# KiCad board amulet_controller.kicad_pcb
date: 2024-04-13; rev: ${REVISION}; company: ${COMPANY}
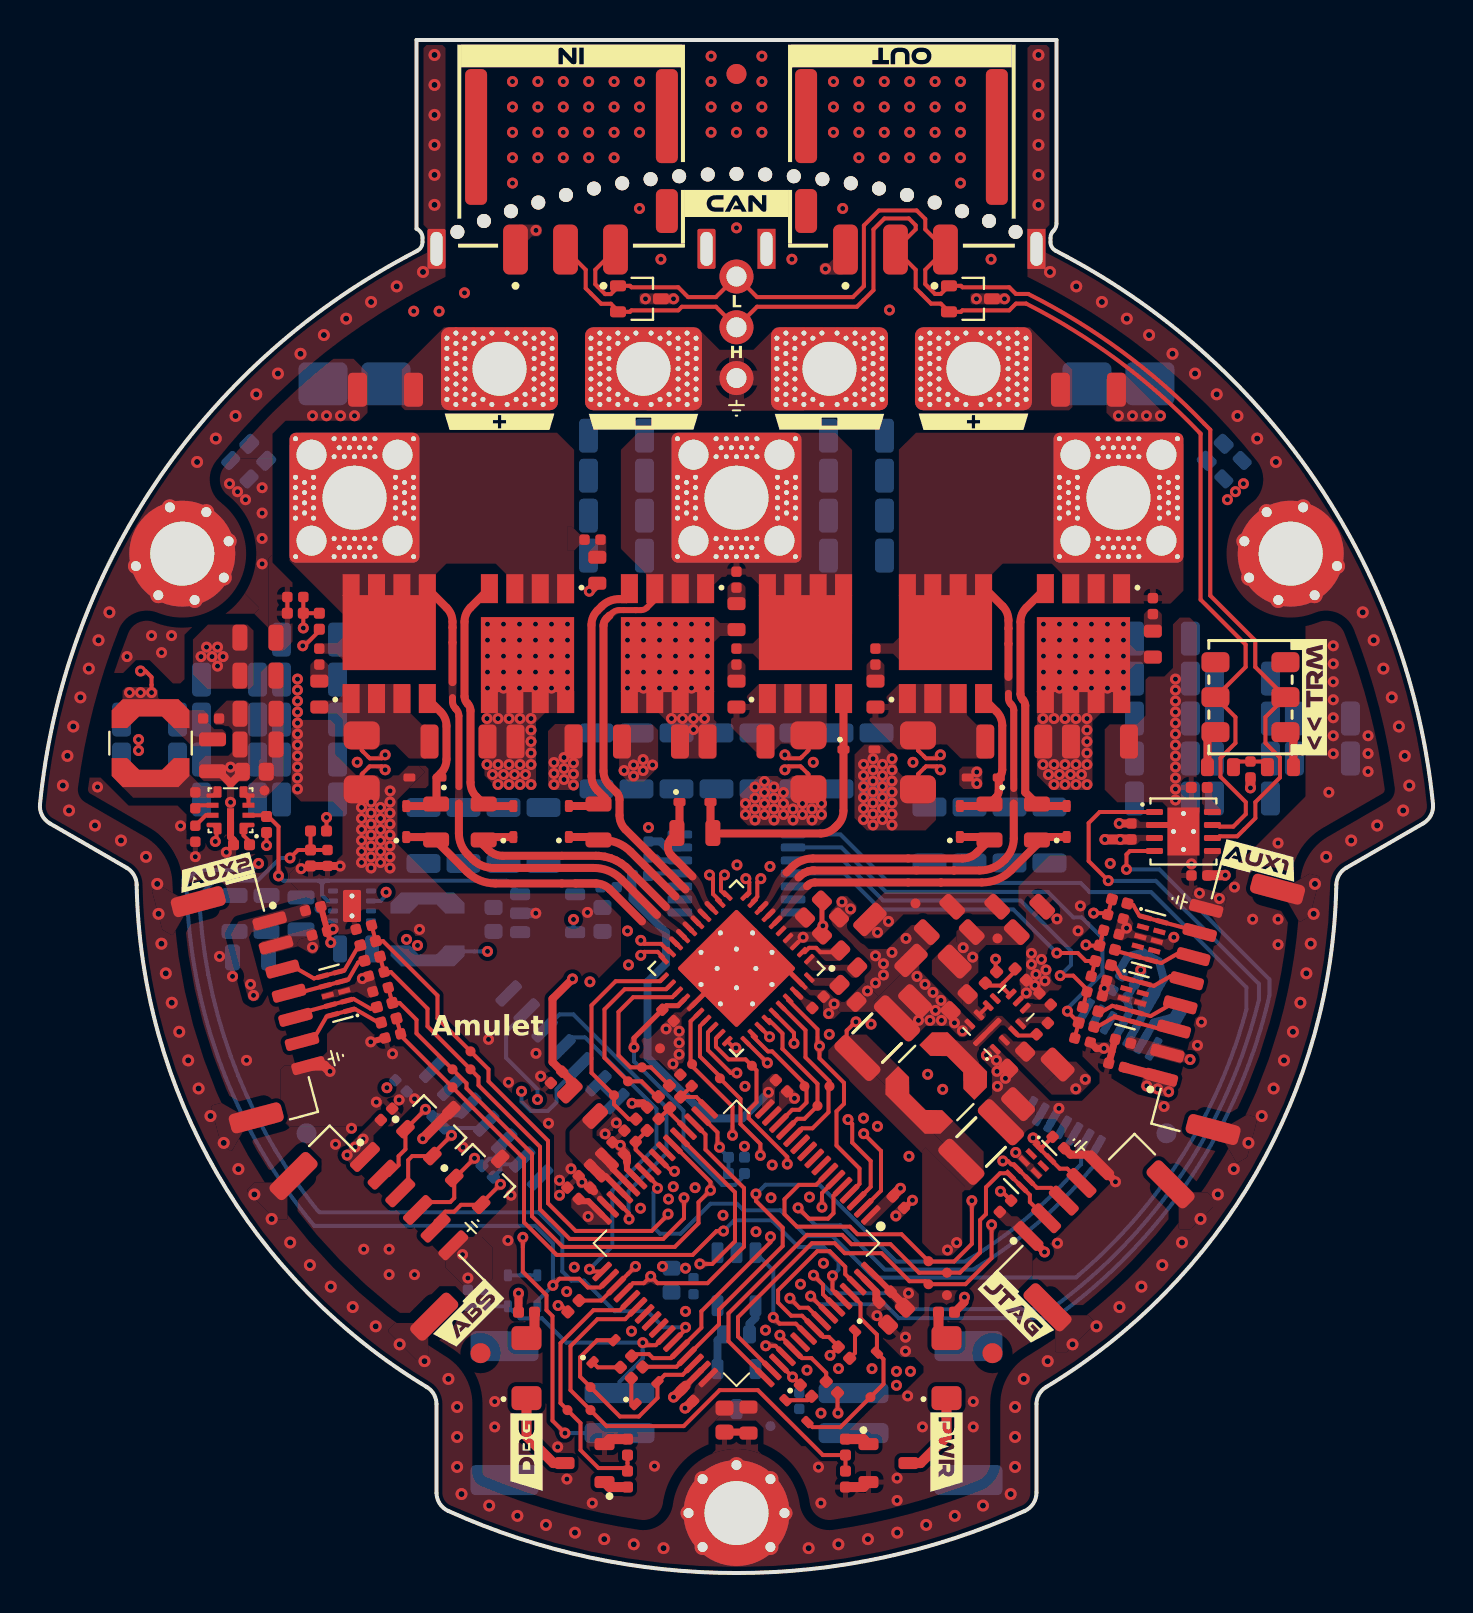
[diagram p0: board, top side]
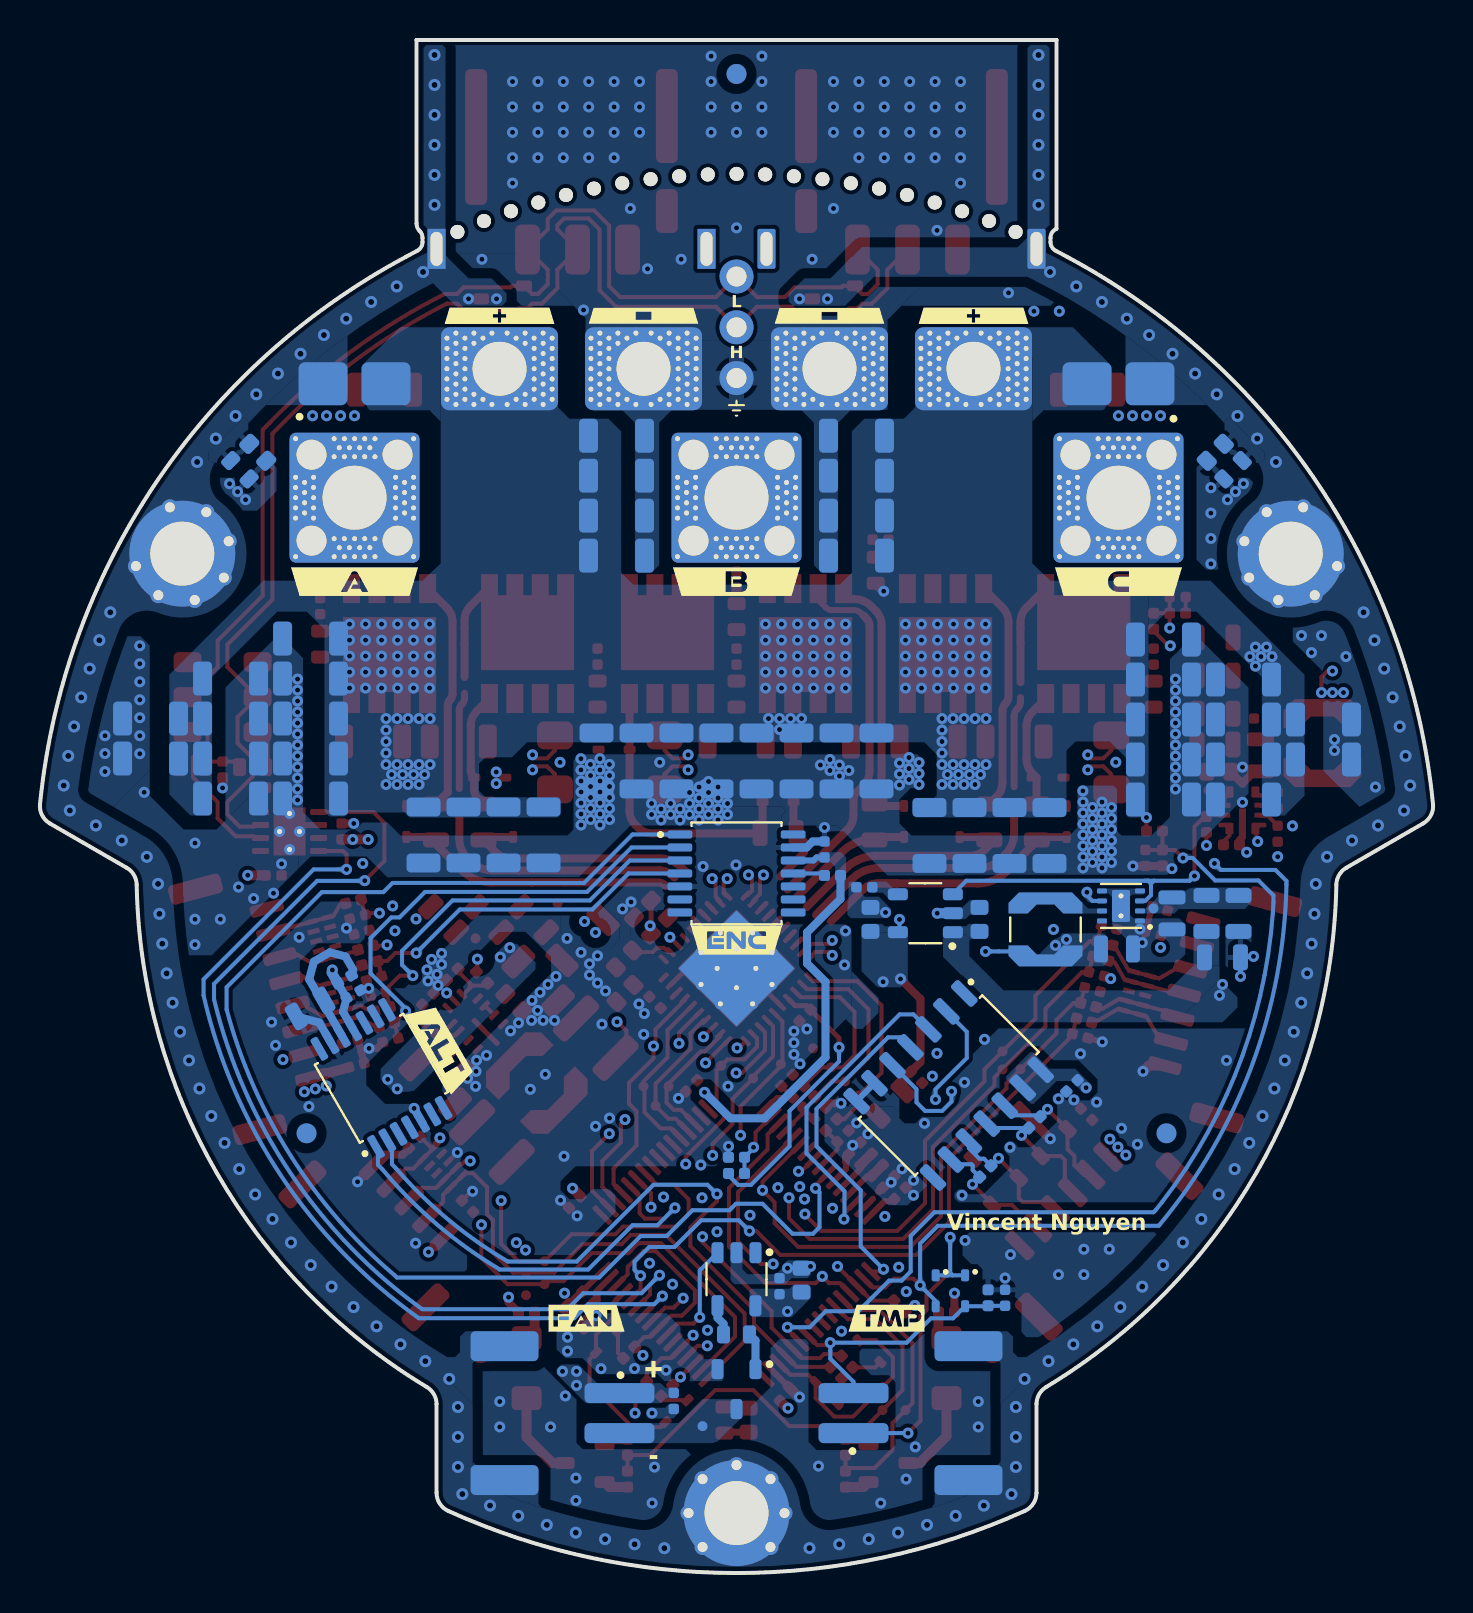
[diagram p1: board, bottom side, seen from below]

Outline 69.66 x 76.7 mm; copper layers: L1 (Sig, PWR), L2 (GND) (plane), L3 (Sig, PWR), L4 (Sig, PWR), L5 (GND) (plane), L6 (Sig, PWR). Coordinates in mm from the lower left corner of the outline.
Outline path: 0,38.47 arc(5.73,54.45) 18.3,65.85 18.86,66.15 arc(19.06,66.34) 19.13,66.59 19.13,66.8 arc(19.06,67.05) 18.86,67.24 18.83,67.26 18.83,76.7 50.83,76.7 50.83,67.51 arc(50.79,67.32) 50.68,67.15 arc(50.57,66.99) 50.53,66.8 50.53,66.59 arc(50.6,66.34) 50.79,66.15 51.36,65.85 arc(63.93,54.45) 69.66,38.47 arc(69.55,37.91) 69.16,37.5 65.32,35.29 arc(64.96,34.93) 64.82,34.44 arc(60.81,20) 50.31,9.3 arc(49.96,8.94) 49.83,8.45 49.83,4.02 arc(49.67,3.47) 49.24,3.1 arc(34.83,0) 20.42,3.1 arc(19.99,3.47) 19.83,4.02 19.83,8.45 arc(19.7,8.94) 19.34,9.3 arc(8.85,20) 4.83,34.44 arc(4.69,34.93) 4.33,35.29 0.5,37.5 arc(0.11,37.91) 0,38.47
Stack: L1 (Sig, PWR) 0.07mm / dielectric 0.18mm FR4_7628 er 4.29 / L2 (GND) 0.035mm / dielectric 0.4mm FR4 er 4.6 / L3 (Sig, PWR) 0.035mm / dielectric 0.18mm FR4_7628 er 4.29 / L4 (Sig, PWR) 0.035mm / dielectric 0.4mm FR4 er 4.6 / L5 (GND) 0.035mm / dielectric 0.18mm FR4_7628 er 4.29 / L6 (Sig, PWR) 0.07mm

## Placement (name value [footprint] x y rotation side)
C1  4u7 X7R 16V  [C_0603_1608_DensityHigh]  42.83 12.85 225 top
C2  1u X7R 10V  [C_0402_1005_DensityHigh]  25.83 24.8 225 top
C3  100n X7R 50V  [C_0402_1005_DensityHigh]  37.08 24.38 315 top
C4  100n X7R 50V  [C_0402_1005_DensityHigh]  26.65 19 135 top
C5  100n X7R 50V  [C_0402_1005_DensityHigh]  32.38 8.9 135 top
C6  1u X7R 10V  [C_0402_1005_DensityHigh]  27.22 20.14 225 top
C7  4u7 X5R 25V  [C_0402_1005_DensityHigh]  28.35 21.27 45 top
C8  100n X7R 50V  [C_0402_1005_DensityHigh]  42.25 13.8 225 top
C9  1u X7R 10V  [C_0402_1005_DensityHigh]  42.92 18.55 315 top
C10  100n X7R 50V  [C_0402_1005_DensityHigh]  27.8 19.57 225 top
C11  100n X7R 50V  [C_0402_1005_DensityHigh]  28.92 20.69 45 top
C12  1n X7R 25V  [C_0402_1005_DensityHigh]  32.3 24.65 135 top
C13  1n X7R 25V  [C_0402_1005_DensityHigh]  30.65 23 135 top
C14  1n X7R 25V  [C_0402_1005_DensityHigh]  29.5 21.85 135 top
C15  2u2 X7R 100V  [R_0805_2012_DensityHigh]  10.9 46.8 0 top
C16  2u2 X7R 100V  [R_0805_2012_DensityHigh]  44.98 32.7 225 top
C17  2u2 X7R 100V  [R_0805_2012_DensityHigh]  10.9 42.99 180 top
C18  2u2 X7R 100V  [R_0805_2012_DensityHigh]  49.48 32.7 45 top
C19  4u7 X7R 100V  [C_1206_3216_DensityHigh]  49.9 24.45 225 top
C20  2u2 X7R 100V  [R_0805_2012_DensityHigh]  10.9 41.45 180 top
C21  4u7 X7R 100V  [C_1206_3216_DensityHigh]  44.75 29.6 225 top
C22  100n X7R 100V  [C_0603_1608_DensityHigh]  10.72 40.09 180 top
C23  220n X7S 100V  [C_0603_1608_DensityHigh]  45.96 28.54 225 top
C24  1u X7R 10V  [C_0402_1005_DensityHigh]  7.77 36.99 270 top
C25  220n X7S 100V  [C_0603_1608_DensityHigh]  48.84 25.66 225 top
C26  1u X7R 10V  [C_0402_1005_DensityHigh]  50.26 28.72 135 top
C27  100n X7R 50V  [C_0402_1005_DensityHigh]  7.77 38.66 270 top
C28  100n X7R 50V  [C_0402_1005_DensityHigh]  50.12 27.23 45 top
C29  100n X7R 50V  [C_0402_1005_DensityHigh]  8.55 42.75 0 top
C30  15u X7R 25V  [C_1210_3225_DensityHigh]  41.86 26.76 45 top
C31  4u7 X7R 100V  [C_1206_3216_DensityHigh]  28.83 54.9 0 bottom
C32  4u7 X7R 100V  [C_1206_3216_DensityHigh]  28.83 52.9 0 bottom
C33  4u7 X7R 100V  [C_1206_3216_DensityHigh]  5.48 42.7 180 bottom
C34  4u7 X7R 100V  [C_1206_3216_DensityHigh]  40.83 50.9 180 bottom
C35  4u7 X7R 100V  [C_1206_3216_DensityHigh]  40.83 52.9 180 bottom
C36  4u7 X7R 100V  [C_1206_3216_DensityHigh]  40.83 54.9 180 bottom
C37  22u X7R 10V  [C_0805_2012_DensityHighest]  8.63 40.91 270 top
C38  15u X7R 25V  [C_1210_3225_DensityHigh]  47.06 21.56 45 top
C39  4u7 X7R 100V  [C_1206_3216_DensityHigh]  5.48 40.7 180 bottom
C40  4u7 X7R 100V  [C_1206_3216_DensityHigh]  41.83 40.63 270 bottom
C41  4u7 X7R 100V  [C_1206_3216_DensityHigh]  39.83 40.63 270 bottom
C42  4u7 X7R 100V  [C_1206_3216_DensityHigh]  37.83 40.63 270 bottom
C43  4u7 X7R 100V  [C_1206_3216_DensityHigh]  35.83 40.63 270 bottom
C44  4u7 X7R 100V  [C_1206_3216_DensityHigh]  33.83 40.63 270 bottom
C45  2u2 X7R 100V  [R_0805_2012_DensityHigh]  10.53 30.8 180 bottom
C46  4u7 X7R 100V  [C_1206_3216_DensityHigh]  31.83 40.63 270 bottom
C47  4u7 X7R 100V  [C_1206_3216_DensityHigh]  29.83 40.63 270 bottom
C48  4u7 X7R 100V  [C_1206_3216_DensityHigh]  27.83 40.63 270 bottom
C49  4u7 X7R 100V  [C_1206_3216_DensityHigh]  13.48 46.7 180 bottom
C50  4u7 X7R 100V  [C_1206_3216_DensityHigh]  52.43 59.2 0 top
C51  4u7 X7R 100V  [C_1206_3216_DensityHigh]  28.83 50.9 0 bottom
C52  2u2 X7R 100V  [R_0805_2012_DensityHigh]  9.73 33 270 bottom
C53  4u7 X7R 100V  [C_1206_3216_DensityHigh]  9.48 40.7 0 bottom
C54  4u7 X7R 100V  [C_1206_3216_DensityHigh]  9.48 44.7 0 bottom
C55  4u7 X7R 100V  [C_1206_3216_DensityHigh]  19.18 36.9 270 bottom
C56  10u X7R 25V  [C_0805_2012_DensityHighest]  13.05 33 270 bottom
C57  4u7 X7R 100V  [C_1206_3216_DensityHigh]  21.18 36.9 270 bottom
C58  4u7 X7R 100V  [C_1206_3216_DensityHigh]  23.18 36.9 270 bottom
C59  4u7 X7R 100V  [C_1206_3216_DensityHigh]  25.18 36.9 270 bottom
C60  1u X7R 25V  [C_0603_1608_DensityHigh]  22.68 32.7 90 bottom
C61  4u7 X7R 100V  [C_1206_3216_DensityHigh]  44.48 36.93 270 bottom
C62  4u7 X7R 100V  [C_1206_3216_DensityHigh]  46.48 36.93 270 bottom
C63  4u7 X7R 100V  [C_1206_3216_DensityHigh]  48.48 36.93 270 bottom
C64  4u7 X7R 100V  [C_1206_3216_DensityHigh]  50.48 36.93 270 bottom
C65  4u7 X7R 100V  [C_1206_3216_DensityHigh]  40.83 56.9 180 bottom
C66  4u7 X7R 100V  [C_1206_3216_DensityHigh]  17.28 59.2 180 top
C67  4u7 X7R 100V  [C_1206_3216_DensityHigh]  56.13 38.75 0 bottom
C68  4u7 X7R 100V  [C_1206_3216_DensityHigh]  56.13 40.75 0 bottom
C69  4u7 X7R 100V  [C_1206_3216_DensityHigh]  56.13 42.75 0 bottom
C70  4u7 X7R 100V  [C_1206_3216_DensityHigh]  56.13 44.75 0 bottom
C71  4u7 X7R 100V  [C_1206_3216_DensityHigh]  9.48 42.7 0 bottom
C72  4u7 X7R 100V  [C_1206_3216_DensityHigh]  60.13 38.75 180 bottom
C73  4u7 X7R 100V  [C_1206_3216_DensityHigh]  9.48 38.7 0 bottom
C74  4u7 X7R 100V  [C_1206_3216_DensityHigh]  13.48 38.7 180 bottom
C75  4u7 X7R 100V  [C_1206_3216_DensityHigh]  13.48 40.7 180 bottom
C76  10n X7R 100V  [C_0402_1005_DensityHigh]  28.44 34.31 0 bottom
C77  4u7 X7R 100V  [C_1206_3216_DensityHigh]  13.48 42.7 180 bottom
C78  4u7 X7R 100V  [C_1206_3216_DensityHigh]  13.48 44.7 180 bottom
C79  4u7 X7R 100V  [C_1206_3216_DensityHigh]  60.13 44.75 180 bottom
C80  4u7 X7R 100V  [C_1206_3216_DensityHigh]  64.13 42.75 0 bottom
C81  4u7 X7R 100V  [C_1206_3216_DensityHigh]  64.13 40.75 0 bottom
C82  4u7 X7R 100V  [C_1206_3216_DensityHigh]  60.13 42.75 180 bottom
C83  22u X7R 10V  [C_0805_2012_DensityHighest]  15.8 31.23 180 bottom
C84  4u7 X7R 16V  [C_0603_1608_DensityHigh]  28.13 32.7 90 bottom
C85  4u7 X7R 100V  [C_1206_3216_DensityHigh]  60.13 40.75 180 bottom
C86  4u7 X7R 100V  [C_1206_3216_DensityHigh]  56.13 46.75 0 bottom
C87  4u7 X7R 100V  [C_1206_3216_DensityHigh]  28.83 56.9 0 bottom
C88  1u X7R 25V  [C_0603_1608_DensityHigh]  38.68 33.22 225 top
C89  4u7 X7R 100V  [C_1206_3216_DensityHighest]  42.53 31.68 315 top
C90  100n X7R 16V  [C_0402_1005_DensityHigh]  31.4 27.9 315 top
C91  47n X7R 100V  [C_0603_1608_DensityHigh]  40.44 30.73 315 top
C92  100n X7R 100V  [C_0603_1608_DensityHigh]  39.53 32.37 45 top
C93  1u X7R 25V  [C_0603_1608_DensityHigh]  40.4 29 315 top
C94  1u X7R 6.3V  [C_0402_1005_DensityHigh]  38.9 28.55 45 top
C95  100n X7R 100V  [C_1206_3216_DensityHighest]  48.72 41.6 180 top
C96  4u7 X7R 100V  [C_1206_3216_DensityHighest]  25.23 41.6 0 top
C97  100n X7R 100V  [C_1206_3216_DensityHighest]  34.83 41.6 0 top
C98  4u7 X7R 100V  [C_1206_3216_DensityHighest]  30.55 41.6 180 top
C99  100n X7R 100V  [C_1206_3216_DensityHighest]  20.93 41.6 180 top
C100  4u7 X7R 100V  [C_1206_3216_DensityHighest]  53 41.6 0 top
C101  100n X7R 50V  [C_0402_1005_DensityHigh]  12.77 48.83 180 top
C102  100n X7R 50V  [C_0402_1005_DensityHigh]  21.4 13.77 90 bottom
C103  100n X7R 50V  [C_0402_1005_DensityHigh]  14.38 35.78 270 top
C104  100n X7R 50V  [C_0402_1005_DensityHigh]  30.43 36.2 90 bottom
C105  100n X7R 50V  [C_0402_1005_DensityHigh]  53.98 28.95 150 bottom
C106  10u X7R 25V  [C_0805_2012_DensityHighest]  56.15 28.25 330 bottom
C107  100n X7R 50V  [C_0402_1005_DensityHigh]  18.05 24.38 315 bottom
C108  100n X7R 50V  [C_0402_1005_DensityHigh]  57.98 34.9 180 top
C109  100n X7R 50V  [C_0402_1005_DensityHigh]  54.58 37.1 90 top
C110  4u7 X7R 16V  [C_0603_1608_DensityHigh]  31.58 14.65 90 bottom
C111  100n X7R 50V  [C_0402_1005_DensityHigh]  32.68 14.35 90 bottom
C112  100n X7R 50V  [C_0402_1005_DensityHigh]  53.83 25.4 165 top
C113  100n X7R 50V  [C_0402_1005_DensityHigh]  13.66 33.24 15 top
C114  100n X7R 50V  [C_0402_1005_DensityHigh]  54.15 26.6 165 top
C115  100n X7R 50V  [C_0402_1005_DensityHigh]  13.99 32.01 15 top
C116  3n3 X7R 100V  [C_0402_1005_DensityHigh]  53.78 32.83 345 top  (not fitted)
C117  3n3 X7R 100V  [C_0402_1005_DensityHigh]  17.65 26.87 195 top  (not fitted)
C118  3n3 X7R 100V  [C_0402_1005_DensityHigh]  53.57 32.06 345 top  (not fitted)
C119  3n3 X7R 100V  [C_0402_1005_DensityHigh]  17.03 29.19 195 top  (not fitted)
C120  3n3 X7R 100V  [C_0402_1005_DensityHigh]  52.95 29.75 345 top  (not fitted)
C121  3n3 X7R 100V  [C_0402_1005_DensityHigh]  16.82 29.96 195 top  (not fitted)
C122  3n3 X7R 100V  [C_0402_1005_DensityHigh]  52.74 28.98 345 top  (not fitted)
C123  3n3 X7R 100V  [C_0402_1005_DensityHigh]  16.19 32.31 195 top  (not fitted)
C124  3n3 X7R 100V  [C_0402_1005_DensityHigh]  52.13 26.66 345 top  (not fitted)
C125  100n X7R 50V  [C_0402_1005_DensityHigh]  37.97 8.61 270 bottom
C126  100n X7R 50V  [C_0402_1005_DensityHigh]  17.33 22.95 45 top
C127  100n X7R 50V  [C_0402_1005_DensityHigh]  48.28 18.35 45 top
C128  100n X7R 50V  [C_0402_1005_DensityHigh]  50.92 21.54 315 top
C129  4n7 X7R 100V  [C_0402_1005_DensityHigh]  60.53 40.2 270 top
C130  1n X7R 1kV  [C_0603_1608_DensityHigh]  34.23 7.65 90 top
C131  1n X7R 1kV  [C_0603_1608_DensityHigh]  10.89 56.07 315 bottom
C132  1n X7R 1kV  [C_0603_1608_DensityHigh]  58.77 56.07 225 bottom
C133  3n3 X7R 100V  [C_0402_1005_DensityHigh]  41.78 45.85 90 top
C134  3n3 X7R 100V  [C_0402_1005_DensityHigh]  34.83 45.85 90 top
C135  3n3 X7R 100V  [C_0402_1005_DensityHigh]  13.97 45.85 90 top
C136  3n3 X7R 100V  [C_0402_1005_DensityHigh]  55.65 48.38 270 top
C137  3n3 X7R 100V  [C_0402_1005_DensityHigh]  34.83 49.7 270 top
C138  3n3 X7R 100V  [C_0402_1005_DensityHigh]  27.63 51.7 0 top
D1  SMBJ51CD-M3/H  [DIOM4336X24N]  15.73 59.5 0 bottom
D2  SMBJ51CD-M3/H  [DIOM4336X24N]  53.93 59.5 180 bottom
D3  BAT41KFILM  [D_SOD-523]  47.17 39.8 180 top
D4  BAT41KFILM  [D_SOD-523]  51.34 37.6 90 top
D5  BAT41KFILM  [D_SOD-523]  46 37.6 90 top
D6  BAT41KFILM  [D_SOD-523]  40.95 41.2 0 top
D7  BAT41KFILM  [D_SOD-523]  26.45 37.6 90 top
D8  BAT41KFILM  [D_SOD-523]  32.75 38.58 0 top
D9  BAT41KFILM  [D_SOD-523]  19.25 39.8 180 top
D10  BAT41KFILM  [D_SOD-523]  23.67 37.6 90 top
D11  BAT41KFILM  [D_SOD-523]  18.32 37.6 90 top
D12  YELLOW  [LED_SM1206]  24.33 10.25 90 top
D13  GREEN  [LED_SM1206]  45.33 10.25 90 top
D14  BAT41KFILM  [D_SOD-523]  24.87 14.12 270 bottom
D15  BAT41KFILM  [D_SOD-523]  23.4 14.12 270 bottom
D16  PESD4USB5B-TBSX  [SOT1176D]  55.43 31.73 345 top
D17  PESD4USB5B-TBSX  [SOT1176D]  14.8 29.01 195 top
D18  PESD4USB3U-TBSX  [SOT1176D]  54.6 28.63 345 top
D19  BAT41KFILM  [D_SOD-523]  37.83 8.1 315 top
D20  BAT41KFILM  [D_SOD-523]  28.18 11.1 45 top
D21  BAT41KFILM  [D_SOD-523]  41.3 11.58 315 top
D22  BAT41KFILM  [D_SOD-523]  30.33 9 45 top
D23  CDSOT23-SM712  [SOT95P230X110-3N]  22.2 19.91 45 top
D24  PESD2CANFD24V-UX  [SOT95P230X117-3N]  46.53 63.75 0 top
D25  PESD2CANFD24V-UX  [SOT95P230X117-3N]  29.98 63.75 0 top
D26  PESD4USB3U-TBSX  [SOT1176D]  49.52 20.31 315 top
D27  CDSOT23-SM712  [SOT95P230X110-3N]  19.76 22.35 45 top
FB1  1k @ 100MHz  [R_0805_2012_DensityHigh]  27.13 23.5 315 top
FB2  1k @ 100MHz  [R_0805_2012_DensityHigh]  10.9 44.9 0 top
FB3  1k @ 100MHz  [R_0805_2012_DensityHigh]  47.23 32.7 225 top
FB4  1k @ 100MHz  [R_0805_2012_DensityHigh]  11.33 33 90 bottom
FM1  Fiducial  [Fiducial_1mm_Mask2mm]  34.83 75 0 top
FM2  Fiducial  [Fiducial_1mm_Mask2mm]  13.33 22 180 bottom
FM3  Fiducial  [Fiducial_1mm_Mask2mm]  22.03 11 0 top
FM4  Fiducial  [Fiducial_1mm_Mask2mm]  56.33 22 180 bottom
FM5  Fiducial  [Fiducial_1mm_Mask2mm]  47.63 11 0 top
FM6  Fiducial  [Fiducial_1mm_Mask2mm]  34.83 75 180 bottom
G***  -  [LOGO]  22.38 31.1 0 top
H1  M3  [MountingHole_3.2mm_M3_Pad_Via]  34.83 3 180 top
H2  M3  [MountingHole_3.2mm_M3_Pad_Via]  7.12 51 60 top
H3  M3  [MountingHole_3.2mm_M3_Pad_Via]  62.54 51 300 top
J1  XT60PW-F  [AMASS_XT60PW-F_1x02_P7.20mm_Horizontal]  39.48 60.25 180 bottom
J2  XT60PW-M  [AMASS_XT60PW-M_1x02_P7.20mm_Horizontal]  30.18 60.25 180 bottom
J3  Phase A  [Pad_Square_Vias_6.5x6.5mm]  53.93 53.8 180 top
J4  Phase B  [Pad_Square_Vias_6.5x6.5mm]  34.83 53.8 180 top
J5  Phase C  [Pad_Square_Vias_6.5x6.5mm]  15.73 53.8 0 top
J6  SM08B-GHS-TB  [JST_GH_SM08B-GHS-TB_1x08-1MP_P1.25mm_Horizontal]  58.97 28.55 75 top
J7  SM07B-GHS-TB  [JST_GH_SM07B-GHS-TB_1x07-1MP_P1.25mm_Horizontal]  10.67 28.53 285 top
J8  S2B-PH-SM4-TB  [JST_PH_S2B-PH-SM4-TB_1x02-1MP_P2.00mm_Horizontal]  26.13 8 90 bottom
J9  S2B-PH-SM4-TB  [JST_PH_S2B-PH-SM4-TB_1x02-1MP_P2.00mm_Horizontal]  43.53 8 270 bottom
J10  SM06B-GHS-TB  [JST_GH_SM06B-GHS-TB_1x06-1MP_P1.25mm_Horizontal]  17.15 17.3 315 top
J11  PTH 01x03 2.54mm  [PTH_1x03_P2.54mm]  34.83 59.79 180 top
J12  Nano-Fit 1x03  [1054301203]  43.08 70.9 180 top
J13  Nano-Fit 1x03  [1054301203#2]  26.58 70.9 180 top
J14  SM05B-GHS-TB  [JST_GH_SM05B-GHS-TB_1x05-1MP_P1.25mm_Horizontal]  52.5 17.33 45 top
kibuzzard-657CE6B7  G***  [kibuzzard-657CE6B7]  15.73 49.6 180 bottom
kibuzzard-657CE6F4  G***  [kibuzzard-657CE6F4]  34.83 49.6 180 bottom
kibuzzard-657CE8E9  G***  [kibuzzard-657CE8E9]  43.1 75.9 180 top
kibuzzard-657CE8F0  G***  [kibuzzard-657CE8F0]  26.56 75.9 180 top
kibuzzard-657CE701  G***  [kibuzzard-657CE701]  53.93 49.6 180 bottom
kibuzzard-657CE738  G***  [kibuzzard-657CE738]  34.83 31.66 180 bottom
kibuzzard-657DB620  G***  [kibuzzard-657DB620]  34.83 68.52 0 top
kibuzzard-657EBC7A  G***  [kibuzzard-657EBC7A]  21.44 12.85 45 top
kibuzzard-657EBC30  G***  [kibuzzard-657EBC30]  48.8 13.18 315 top
kibuzzard-657EBCD6  G***  [kibuzzard-657EBCD6]  61.02 35.65 345 top
kibuzzard-657EBD3F  G***  [kibuzzard-657EBD3F]  8.78 35.05 15 top
kibuzzard-657EBDD6  G***  [kibuzzard-657EBDD6]  49.6 26.31 240 bottom
kibuzzard-657EBE81  G***  [kibuzzard-657EBE81]  27.33 12.75 180 bottom
kibuzzard-657EBEA6  G***  [kibuzzard-657EBEA6]  42.33 12.75 180 bottom
kibuzzard-657F78ED  G***  [kibuzzard-657F78ED]  30.18 57.6 0 top
kibuzzard-657F78ED#2  G***  [kibuzzard-657F78ED]  39.48 57.6 0 top
kibuzzard-657F78ED#3  G***  [kibuzzard-657F78ED]  39.48 62.9 0 bottom
kibuzzard-657F78ED#4  G***  [kibuzzard-657F78ED]  30.18 62.9 0 bottom
kibuzzard-657F7953  G***  [kibuzzard-657F7953]  46.68 57.6 0 top
kibuzzard-657F7953#2  G***  [kibuzzard-657F7953]  22.98 57.6 0 top
kibuzzard-657F7953#3  G***  [kibuzzard-657F7953]  22.98 62.9 0 bottom
kibuzzard-657F7953#4  G***  [kibuzzard-657F7953]  46.68 62.9 0 bottom
kibuzzard-65803F12  G***  [kibuzzard-65803F12]  63.73 43.82 90 top
kibuzzard-658032A4  G***  [kibuzzard-658032A4]  38.98 10.2 180 bottom
kibuzzard-6580330B  G***  [kibuzzard-6580330B]  38.98 5.8 180 bottom
kibuzzard-65807142  G***  [kibuzzard-65807142]  45.33 6.05 270 top
kibuzzard-65807156  G***  [kibuzzard-65807156]  24.33 6.05 90 top
L1  22u  [L_Coilcraft_LPS4018]  5.53 41.52 90 top
L2  22u  [L_Coilcraft_LPS4018]  44.82 24.51 225 top
L3  2u2  [L_Coilcraft_LPS3314]  19.38 32.2 270 bottom
MB1  -  [mousebites_single_0.7mm]  20.87 67.1 0 top
MB2  -  [mousebites_single_0.7mm]  22.2 67.64 0 top
MB3  -  [mousebites_single_0.7mm]  23.55 68.13 0 top
MB4  -  [mousebites_single_0.7mm]  24.92 68.57 0 top
MB5  -  [mousebites_single_0.7mm]  26.3 68.95 0 top
MB6  -  [mousebites_single_0.7mm]  27.7 69.27 0 top
MB7  -  [mousebites_single_0.7mm]  29.11 69.53 0 top
MB8  -  [mousebites_single_0.7mm]  30.53 69.74 0 top
MB9  -  [mousebites_single_0.7mm]  31.96 69.88 0 top
MB10  -  [mousebites_single_0.7mm]  33.39 69.97 0 top
MB11  -  [mousebites_single_0.7mm]  34.83 70 0 top
MB12  -  [mousebites_single_0.7mm]  36.26 69.97 0 top
MB13  -  [mousebites_single_0.7mm]  37.7 69.88 0 top
MB14  -  [mousebites_single_0.7mm]  39.12 69.74 0 top
MB15  -  [mousebites_single_0.7mm]  40.54 69.53 0 top
MB16  -  [mousebites_single_0.7mm]  41.96 69.27 0 top
MB17  -  [mousebites_single_0.7mm]  43.35 68.95 0 top
MB18  -  [mousebites_single_0.7mm]  44.74 68.57 0 top
MB19  -  [mousebites_single_0.7mm]  46.11 68.13 0 top
MB20  -  [mousebites_single_0.7mm]  47.46 67.64 0 top
MB21  -  [mousebites_single_0.7mm]  48.78 67.1 0 top
NT1  FB_5V  [NetTie-2_SMD_Pad0.2mm]  5.58 44.63 90 top
NT2  FB_12V  [NetTie-2_SMD_Pad0.2mm]  40.48 27.28 225 top
NT3  VOS_3V3  [NetTie-2_SMD_Pad0.2mm]  21.92 31.1 180 bottom
NT4  SRC_HS_A  [NetTie-2_SMD_Pad0.4mm]  48.43 46.88 90 top
NT5  SHNTA_P  [NetTie-2_SMD_Pad0.2mm]  44.08 40.99 315 top
NT6  SHNTA_N  [NetTie-2_SMD_Pad0.2mm]  44.08 40.14 225 top
NT7  SRC_HS_B  [NetTie-2_SMD_Pad0.3mm]  29.48 48.18 0 top
NT8  SHNTB_P  [NetTie-2_SMD_Pad0.2mm]  38.23 40.96 45 top
NT9  SHNTB_N  [NetTie-2_SMD_Pad0.2mm]  38.23 40.16 315 top
NT10  SRC_HS_C  [NetTie-2_SMD_Pad0.4mm]  20.63 46.93 90 top
NT11  SHNTC_P  [NetTie-2_SMD_Pad0.2mm]  16.29 40.96 135 top
NT12  SHNTC_N  [NetTie-2_SMD_Pad0.2mm]  16.29 40.16 225 top
NT13  NTC_MOT_H  [NetTie-2_SMD_Pad0.2mm]  26.78 7 0 bottom
NT14  NTC_MOT_L  [NetTie-2_SMD_Pad0.2mm]  30.14 10.93 270 bottom
Q1  TPW1R306PL,L1Q  [2-5S1A]  52.18 46.5 270 top
Q2  TPW1R306PL,L1Q  [2-5S1A]  45.28 46.5 90 top
Q3  TPW1R306PL,L1Q  [2-5S1A]  31.38 46.5 270 top
Q4  TPW1R306PL,L1Q  [2-5S1A]  38.28 46.5 90 top
Q5  TPW1R306PL,L1Q  [2-5S1A]  24.38 46.5 270 top
Q6  TPW1R306PL,L1Q  [2-5S1A]  17.46 46.5 90 top
Q7  PMV90ENER  [SOT-23-3]  27.23 5.5 180 top
Q8  PMV90ENER  [SOT-23-3]  42.43 5.5 0 top
Q9  PMV90ENER  [SOT-23-3]  34.83 9.2 270 bottom
R1  22R 1%  [R_0402_1005_DensityHigh]  31.75 24.1 135 top
R2  22R 1%  [R_0402_1005_DensityHigh]  31.2 23.55 135 top
R3  22R 1%  [R_0402_1005_DensityHigh]  30.08 22.43 135 top
R4  0R  [R_0402_1005_DensityHigh]  10.08 36.44 180 top
R5  100k 1%  [R_0402_1005_DensityHigh]  47.55 29.8 225 top
R6  9k09 1%  [R_0402_1005_DensityHigh]  49.04 29.94 315 top
R7  10k 1%  [R_0402_1005_DensityHigh]  11.33 37.45 270 top
R8  2k 1%  [R_0402_1005_DensityHigh]  26.68 13.35 45 top
R9  2k 1%  [R_0402_1005_DensityHigh]  39.6 9.3 135 top
R10  7R5 1% 1/2W  [R_0805_2012_DensityHigh]  49.85 37.58 270 top
R11  7R5 1% 1/2W  [R_0805_2012_DensityHigh]  47.48 37.58 90 top
R12  0m5 1% 2W  [HCS1206FTL500]  43.9 40.56 90 top
R13  7R5 1% 1/2W  [R_0805_2012_DensityHigh]  27.93 37.58 90 top
R14  7R5 1% 1/2W  [R_0805_2012_DensityHigh]  32.75 37.03 0 top
R15  0m5 1% 2W  [HCS1206FTL500]  38.43 40.56 90 top
R16  7R5 1% 1/2W  [R_0805_2012_DensityHigh]  22.19 37.58 90 top
R17  7R5 1% 1/2W  [R_0805_2012_DensityHigh]  19.81 37.58 90 top
R18  0m5 1% 2W  [HCS1206FTL500]  16.09 40.56 90 top
R19  100k 1%  [R_0402_1005_DensityHigh]  34.83 19.99 180 bottom
R20  100k 1%  [R_0402_1005_DensityHigh]  34.83 20.8 0 bottom
R21  100k 1%  [R_0402_1005_DensityHigh]  29.38 6.3 90 top
R22  100R 1% 1/5W  [R_0402_1005_DensityHigh]  29.38 4.7 270 top
R23  100R 1% 1/5W  [R_0402_1005_DensityHigh]  24.33 13.05 180 top
R24  100k 1%  [R_0402_1005_DensityHigh]  40.28 4.7 270 top
R25  100R 1% 1/5W  [R_0402_1005_DensityHigh]  40.28 6.3 90 top
R26  150R 1% 1/5W  [R_0402_1005_DensityHigh]  45.33 13.05 180 top
R27  10k 1%  [R_0402_1005_DensityHigh]  12.77 48.02 180 top
R28  2k 1%  [R_0402_1005_DensityHigh]  22.25 13.77 90 bottom
R29  100k 1%  [R_0402_1005_DensityHigh]  13.93 37.12 180 top
R30  4k7 1%  [R_0402_1005_DensityHigh]  13.53 35.78 270 top
R31  0R  [R_0402_1005_DensityHigh]  30.03 34.9 0 bottom
R32  0R  [R_0402_1005_DensityHigh]  54.42 29.71 150 bottom
R33  10k 1%  [R_0402_1005_DensityHigh]  57.97 39.3 180 top
R34  10R 1%  [R_0603_1608_DensityHigh]  34.83 11.94 180 bottom